# Altium PCB Moki V3.PcbDoc (continued)
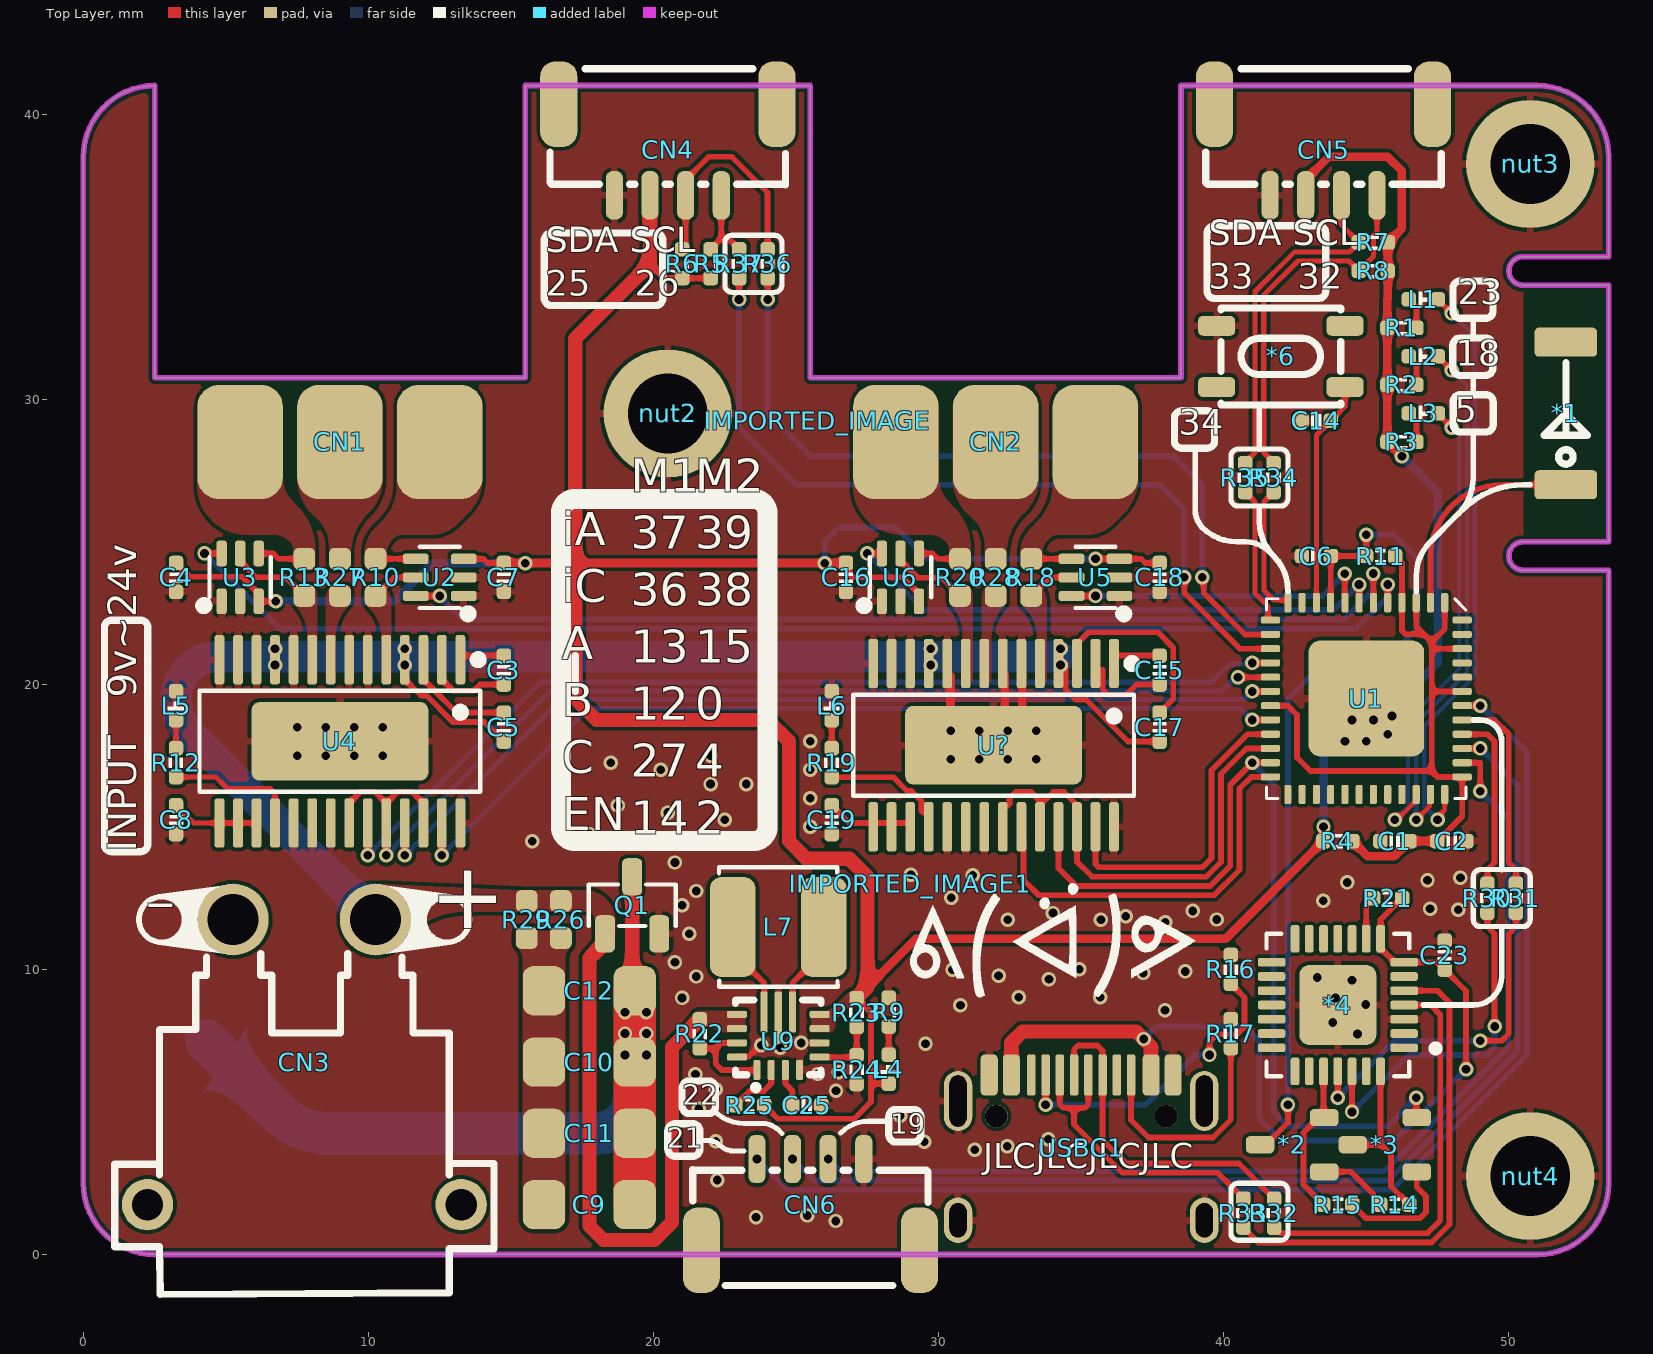
[diagram p0: Top Layer view]
## Nets (pads, with @x,y where several pads share a name; then routed paths per layer and width w, separated by ;. In a path a pad name is that pad's centre, name@x,y a point inside that pad or via, vN(x,y) a via of type N, cw(c..) or ccw(c..) an arc to the next point about the centre after c; other vN are vias at no path point)
BootMode: *3.2 U1.23 U?.25 | length 31.5
  Top Layer w0.2: U?.25 34.202,13.548 34.823,12.927 39.177,12.927 39.528,12.927 40.227,13.627 40.227,16.477 v1(41,17.25) U1.23 ; v1(46.75,5.5) 46.75,4.821 *3.2
  Bottom Layer w0.2: v1(41,17.25) 41.75,16.5 41.75,5 42.25,4.5 45.75,4.5 v1(46.75,5.5)
CC1: R16.1 USBC1.A5 | length 11.1
  Top Layer w0.2: v1(33.75,5.25) USBC1.A5 ; v1(39.5,7) 39.5,7.452 39.771,7.723 40.47,7.723 40.731,7.984 40.731,9.011 R16.1
  Bottom Layer w0.2: v1(33.75,5.25) 37.25,5.25 39,7 v1(39.5,7)
CC2: R17.1 USBC1.B5 | length 8.1
  Top Layer w0.2: USBC1.B5 36.75,4.716 37.36,4.106 39.622,4.106 40.25,4.734 R17.1@40.25,7.227
DN: R33.1 USBC1.A7 USBC1.B7 | length 10.8
  Top Layer w0.2: USBC1.B7 34.251,5.262 34.368,5.145 34.75,5.145 ; USBC1.A7 35.249,5.262 35.132,5.145 34.75,5.145 ; R33.1 39.789,2.863 36.445,2.863 34.75,4.558 34.75,5.145
DP: R32.1 USBC1.A6 USBC1.B6 | length 12
  Top Layer w0.2: USBC1.A6 34.751,7.189 34.892,7.33 35.563,7.33 35.745,7.148 USBC1.B6@35.745,6.302 ; USBC1.B6 35.749,4.021 36.58,3.19 40.532,3.19 R32.1
EspEN: *2.3 C6.1 R11.1 U1.9 | length 30
  Top Layer w0.2: *2.3 41.475,3.85 42.25,4.625 v1(42.25,5.25) ; U1.9 43.75,24.492 C6.1 R11.1 44.996,24.504 44.996,25.246 v1(45,25.25)
  Bottom Layer w0.2: v1(42.25,5.25) 42.25,19.5 43.412,20.662 45.507,20.662 46.797,21.953 46.797,24.4 45.947,25.25 v1(45,25.25)
GND: *1.2 *4.3 *4.29 *6.4 C1.2 C2.2 C4.1 C6.2 C7.1 C8.1 C14.1 C16.1 C18.1 C19.1 C23.1 C25.1 CN4.1 CN5.1 CN6.1 L5.2 L6.2 nut2.0 nut3.0 nut4.0 Q1.2 R9.2 R16.2 R17.2 R24.1 U1.49 U2.1 U2.2 U3.1 U3.2 U4.6 U4.7 U4.10 U4.12 U4.13 U4.14 U4.19 U4.20 U4.21 U4.28 U4.29 U5.1 U5.2 U6.1 U6.2 U9.4 U9.6 U9.10 U9.15 U?.6 U?.7 U?.10 U?.12 U?.13 U?.14 U?.19 U?.20 U?.21 U?.28 U?.29 USBC1.13 USBC1.14 USBC1.15 USBC1.16 USBC1.A1B12 USBC1.B1A12 | length 9.3
  Top Layer w0.2: U9.15 22.95,6.947 23.341,6.947 23.73,7.336 v1(23.774,7.336)
  Top Layer w0.3: U?.10 30.301,20.351 30.322,20.329 30.374,20.329 30.414,20.289 30.414,19.081 31.13,18.366 v2(31.426,18.366) ; v2(32.427,18.366) 32.396,18.396 32.325,18.467 32.325,20.329 32.273,20.329 U?.7@32.251,20.351 ; U?.29@32.5,18.5 32.933,18.933 32.933,20.329 32.923,20.329 32.902,20.351 U?.6 ; U?.7@32.251,20.351 U?.7 U?.7@32.251,20.351
  other v1: 26.389,1.176 23.592,1.308 25.388,1.369 22.229,2.611 31.262,3.669 32.403,3.797 29.494,3.954 22.181,3.973 33.843,4.04 28.653,4.867 21.59,5.107 26.398,5.749 22.181,5.794 21.469,6.325 25.758,6.332 26.487,6.388 24.446,7.255 29.537,7.391 25.179,7.421 44.689,7.736 43.819,8.139 37.938,8.572 30.764,8.74 44.979,8.77 21,9 32.809,9.018 35.671,9.018 43.92,8.997 44.5,9.614 33.868,9.65 43.277,9.715 21.5,9.75 32.102,9.78 37.176,9.873 38.644,9.929 30.485,9.985 34.927,10.003 20.75,10.25 21.25,11.25 37.951,11.652 32.423,11.739 35.692,11.739 39.75,11.75 36.566,11.864 34.008,11.976 38.912,12.051 48.225,12.087 47.236,12.125 21,12.25 43.487,12.404 30.438,12.513 21.5,12.75 44.335,13.05 47.148,13.126 48.301,13.215 31.2,13.299 29.028,13.324 20.75,13.75 15.75,14.5 19.75,14.5 21.5,14.5 17.75,14.75 25.5,15 22.5,15.25 20.5,15.5 18.75,15.75 25.5,16 16.75,16.25 22,16.5 23.25,16.5 20.25,17 25.5,17 18.5,17.25 22,17.5 25.5,18 44.25,18 45,18 45.75,18.25 44.5,18.75 45.25,18.75 45.902,18.888
  other v2: 30.425,17.365 31.426,17.365 32.427,17.365 33.425,17.365 7.499,17.5 8.5,17.5 9.5,17.5 10.499,17.5 30.425,18.366 33.425,18.366 7.499,18.5 8.5,18.5 9.5,18.5 10.499,18.5
GPIO: CN6.2 U1.38 | length 36.9
  Top Layer w0.2: U1.38 49,17.25 v1(49,16.25)
  Bottom Layer w0.2: v1(26.125,3.35) 26.554,2.92 45.633,2.92 49.98,7.267 49.98,15.271 v1(49,16.25)
KEY: *6.1 C14.2 U1.10 | length 8
  Top Layer w0.178: U1.10 43.25,28.742 44.258,29.75 44.258,30.417 *6.1
LED1: L1.2 U1.36 | length 20.7
  Top Layer w0.152: v1(47.5,15.25) 47.5,15.345 47.75,15.595 U1.36 ; L1.2 v1(48,33.008)
  Bottom Layer w0.152: v1(47.5,15.25) 47.036,15.714 47.036,18.536 48.809,20.309 48.809,32.199 v1(48,33.008)
LED2: L2.2 U1.35 | length 18.5
  Top Layer w0.152: v1(46.75,15.25) 47.222,15.722 47.222,16.109 U1.35 ; L2.2 v1(48,31.008)
  Bottom Layer w0.152: v1(46.75,15.25) 46.75,18.645 48.529,20.425 48.529,30.479 v1(48,31.008)
LED3: L3.2 U1.34 | length 16.7
  Top Layer w0.152: v1(46,15.25) 46.076,15.25 46.578,15.752 ; 46.578,15.753 46.75,15.925 U1.34 ; L3.2 47.508,29.496 48,29.004 v1(48,29)
  Bottom Layer w0.152: v1(46,15.25) 46.464,15.714 46.464,18.755 48.25,20.54 48.25,28.734 48,28.984 v1(48,29)
M1-EN: U1.17 U4.22 U4.24 U4.26 | length 40.1
  Top Layer w0.2: U4.22 9.325,15.83 9.724,16.228 10.227,16.228 U4.24@10.626,15.83 ; v1(10.626,14) U4.24 U4.24@10.626,15.83 ; U4.26 11.926,15.83 11.528,16.228 11.024,16.228 U4.24@10.626,15.83 ; v1(40.5,20.25) U1.17
  Bottom Layer w0.178: v1(10.626,14) 10.626,14.012 16.38,19.767 39.938,19.767 40.412,20.241 v1@40.491,20.241
M1-I2C-SCL: CN4.4 R5.2 R37.1 | length 2.8
  Top Layer w0.2: R5.2 22.375,35.633 ; CN4.4 22.375,35.633 ; R37.1 22.625,35.633 22.375,35.633
M1-I2C-SDA: CN4.3 R6.2 R36.1 | length 8.2
  Top Layer w0.2: R6.2 21.125,35.383 CN4.3 21.125,37.7 21.925,38.5 22.75,38.5 24,37.25 R36.1
M1-iSens-1: U1.6 U2.6 | length 35.9
  Top Layer w0.2: U2.6 v1(12.5,23.1) ; v1(45.247,23.883) 45.249,23.882 45.249,22.864 U1.6
  Bottom Layer w0.2: v1(12.5,23.1) 13.32,22.28 44.213,22.28 45.226,23.293 45.226,23.862 v1(45.247,23.883)
M1-iSens-2: U1.5 U3.6 | length 44.7
  Top Layer w0.2: v1(4.25,24.59) U3.6 ; U1.5 v1(45.75,23.5)
  Bottom Layer w0.2: v1(4.25,24.59) 6.887,21.953 44.641,21.953 45.75,23.061 v1(45.75,23.5)
M1-port-1: CN1.1 R10.1 U2.4 | length 1.4
  Top Layer w0.2: R10.1 U2.4
M1-port-2: CN1.2 R27.1
M1-port-3: CN1.3 R13.1 U3.4 | length 1.7
  Top Layer w0.2: U3.4 6.66,24.59 6.85,24.4 R13.1
M1-PWM-1: U1.20 U4.27 | length 32.5
  Top Layer w0.2: v1(12.574,14) U4.27 ; v1(41,18.75) U1.20
  Bottom Layer w0.178: v1(12.574,14) 17.731,19.157 40.593,19.157 v1(41,18.75)
M1-PWM-2: U1.18 U4.25 | length 33.9
  Top Layer w0.2: v1(11.276,14) U4.25 ; v1(41,19.75) U1.18
  Bottom Layer w0.178: v1(11.276,14) 16.738,19.462 40.712,19.462 v1(41,19.75)
M1-PWM-3: U1.16 U4.23 | length 35.6
  Top Layer w0.2: v1(9.975,14) U4.23 ; v1(41,20.75) U1.16
  Bottom Layer w0.178: v1(9.975,14) 9.975,14.012 10.432,14.468 10.444,14.468 16.047,20.071 39.571,20.071 40.218,20.718 40.968,20.718 v1(41,20.75)
M2-EN: U1.22 U?.22 U?.24 U?.26 | length 17.6
  Top Layer w0.2: U?.22 32.251,15.577 32.323,15.648 32.325,15.648 32.488,15.811 32.488,15.992 32.724,16.228 33.227,16.228 U?.24@33.626,15.83 ; U?.24 33.623,15.071 33.623,15.827 U?.24@33.626,15.83 ; U1.22 40.798,17.75 39.9,16.852 39.9,13.762 39.392,13.254 35.374,13.254 34.852,13.776 U?.26 34.857,15.004 34.857,15.766 34.396,16.227 34.023,16.227 U?.24@33.626,15.83
M2-I2C-SCL: CN5.4 R8.2 R34.1 | length 12.9
  Top Layer w0.178: R34.1 41.75,27.779 41.402,28.126 41.402,33.652 42.601,34.851 44.391,34.851 R8.2 45.251,35.009 45.251,35.732 45.375,35.856 CN5.4
M2-I2C-SDA: CN5.3 R7.2 R35.1 | length 12.4
  Top Layer w0.178: R35.1 40.75,27.779 41.098,28.126 41.098,33.779 42.475,35.156 44.398,35.156 R7.2 44.125,36.117 CN5.3
M2-iSens-1: U1.8 U5.6 | length 10.9
  Top Layer w0.2: U5.6 v1(35.5,23.1) ; v1(44.242,23.878) 44.246,23.874 44.246,22.866 U1.8
  Bottom Layer w0.2: v1(35.5,23.1) 43.464,23.1 v1(44.242,23.878)
M2-iSens-2: U1.7 U6.6 | length 19.6
  Top Layer w0.2: v1(27.5,24.59) U6.6 ; v1(44.747,23.497) 44.748,23.496 44.748,22.864 U1.7
  Bottom Layer w0.2: v1(27.5,24.59) 29.483,22.607 43.856,22.607 v1(44.747,23.497)
M2-port-1: CN2.1 R18.1 U5.4 | length 1.4
  Top Layer w0.2: R18.1 U5.4
M2-port-2: CN2.2 R28.1
M2-port-3: CN2.3 R20.1 U6.4 | length 1.5
  Top Layer w0.2: U6.4 29.786,24.59 29.976,24.4 R20.1
M2-PWM-1: U1.21 U?.27 | length 11.2
  Top Layer w0.2: U?.27 35.5,13.698 35.617,13.581 39.257,13.581 39.573,13.898 39.573,16.987 40.836,18.25 U1.21
M2-PWM-3: U1.24 U?.23 | length 14.2
  Top Layer w0.2: U?.23 32.902,14.621 32.973,14.549 32.975,14.549 32.975,13.136 33.511,12.6 39.663,12.6 40.554,13.491 40.554,16.342 40.962,16.75 U1.24
Net*1_1: *1.1 U1.2 | length 7.8
  Top Layer w0.2: U1.2 47.25,24.46 cw(c49.79,24.46) 49.79,27 *1.1
Net*2_1: *2.1 R14.2 | length 2.5
  Top Layer w0.2: *2.1 44.467,2.9 45.239,2.128 45.239,2.018 45.492,1.765 R14.2
Net*3_1: *3.1 R15.2 | length 4.4
  Top Layer w0.2: R15.2 44.989,1.269 45.218,1.269 46.881,1.269 47.093,1.48 47.093,2.045 46.771,2.367 *3.1
Net*4_4: *4.4 R32.2 | length 14.7
  Top Layer w0.2: R32.2 41.778,0.942 41.971,0.75 47.151,0.75 47.591,1.191 47.591,8.409 47.25,8.75 *4.4
Net*4_5: *4.5 R33.2 | length 17.3
  Top Layer w0.2: R33.2 41.213,0.423 47.286,0.423 47.918,1.055 47.918,8.832 47.5,9.25 *4.5
Net*4_9: *4.9 R21.2 | length 1.5
  Top Layer w0.2: *4.9 45,12.243 45.242,12.485 R21.2
Net*4_25: *4.25 R31.1 | length 12.2
  Top Layer w0.2: v1(44,5.5) *4.25 ; v1(49,7.5) 49.75,7.5 50,7.75 50,11.25 50.25,11.5 R31.1
  Bottom Layer w0.2: v1(44,5.5) 46,7.5 v1(49,7.5)
Net*4_26: *4.26 R30.2 | length 12.2
  Top Layer w0.2: v1(44.5,5) *4.26 ; R30.2 49.25,11.5 49.5,11.25 v1(49.5,8)
  Bottom Layer w0.2: v1(44.5,5) 46.5,7 49.25,7 49.5,7.25 v1(49.5,8)
NetC3_1: C3.1 U4.2 | length 3.1
  Top Layer w0.2: U4.2 12.574,20.17 12.972,19.772 13.693,19.772 13.913,19.992 C3.1
NetC3_2: C3.2 U4.1 | length 1.6
  Top Layer w0.2: U4.1 13.224,20.937 13.295,21.008 C3.2
NetC5_1: C5.1 U4.3 | length 4
  Top Layer w0.2: U4.3 11.926,20.17 12.167,19.929 12.168,19.929 13.09,19.008 C5.1
NetC8_2: C8.2 U4.15 U4.16 U4.17 | length 3.1
  Top Layer w0.178: C8.2 3.873,15.135 U4.15 U4.17
NetC9_1: C9.1 C10.1 C11.1 C12.1 CN3.1 Q1.3 U8.2 | length 31.4
  Top Layer w0.5: Q1.3 19.25,9.474 ccw(c19.566,9.474) C12.1
  Top Layer w1.5: C9.1 C11.1 C10.1 C12.1
  Bottom Layer w1.5: U8.2 6.821,4.994 ccw(c8.617,6.79) 8.617,4.25 18,4.25 ccw(c18,5.593) 19.343,5.593 19.343,8.45
  other v1: 19,7 19.75,7 19,7.75 19.75,7.75 19,8.5 19.75,8.5
NetC9_2: C9.2 C10.2 C11.2 C12.2 R26.1 R29.1
NetC15_1: C15.1 U?.2 | length 3.3
  Top Layer w0.2: U?.2 35.5,20.582 35.571,20.51 35.752,20.51 35.752,19.82 35.935,19.637 36.589,19.637 36.944,19.992 C15.1
NetC15_2: C15.2 U?.1 | length 1.8
  Top Layer w0.2: U?.1 36.15,20.872 36.287,21.008 C15.2
NetC17_1: C17.1 U?.3 | length 6.9
  Top Layer w0.2: U?.3 34.852,21.425 35.251,21.823 37.689,21.823 38.231,21.282 38.231,19.489 C17.1
NetC19_2: C19.2 U?.15 U?.16 U?.17 | length 3.5
  Top Layer w0.2: C19.2 26.873,15.135 27.631,15.135 27.702,15.063 U?.15 27.702,15.057 27.78,15.135 28.278,15.135 28.278,15.071 U?.16 28.35,15.057 28.428,15.135 28.929,15.135 28.929,15.071 U?.17
NetC25_2: C25.2 U9.3 | length 1.3
  Top Layer w0.2: U9.3 24.625,5.988 24.867,5.746 C25.2
NetL1_1: L1.1 R1.2 | length 1.3
  Top Layer w0.2: L1.1 46.492,33.485 46.758,33.219 R1.2 R1.2@46.621,32.637
NetL2_1: L2.1 R2.2 | length 1.3
  Top Layer w0.2: L2.1 46.492,31.485 46.758,31.219 R2.2 R2.2@46.621,30.637
NetL3_1: L3.1 R3.2 | length 1.3
  Top Layer w0.2: L3.1 46.492,29.485 46.758,29.219 R3.2 R3.2@46.621,28.637
NetL4_2: L4.2 R9.1 | length 1
  Top Layer w0.2: L4.2 R9.1
NetL5_1: L5.1 R12.2 | length 1
  Top Layer w0.178: R12.2 L5.1
NetL6_1: L6.1 R19.2 | length 1
  Top Layer w0.2: R19.2 L6.1
NetL7_1: L7.1 U9.11 | length 3.4
  Top Layer w0.2: L7.1 22.775,10.629 23.875,9.529 U9.11
NetL7_2: L7.2 U9.9 | length 3.4
  Top Layer w0.2: U9.9 24.875,9.529 25.975,10.629 L7.2
NetR10_2: R10.2 U2.5 U4.5 | length 1.7
  Top Layer w0.2: R10.2 10.9,23.75 U2.5
NetR12_1: R12.1 U4.18 | length 4.7
  Top Layer w0.178: R12.1 4.658,16.742 4.951,16.449 5.05,16.35 6.55,16.35 6.724,16.176 U4.18
NetR13_2: R13.2 U3.5 U4.9 | length 3
  Top Layer w0.2: U3.5 5.5,24.32 6.07,23.75 7.1,23.75 R13.2
NetR18_2: R18.2 U5.5 U?.5 | length 1.7
  Top Layer w0.2: R18.2 33.9,23.75 U5.5
NetR19_1: R19.1 U?.18 | length 4.6
  Top Layer w0.2: R19.1 28.414,16.742 28.893,16.263 29.046,16.263 29.399,15.91 29.399,15.554 29.463,15.49 29.579,15.49 29.65,15.418 U?.18
NetR20_2: R20.2 U6.5 U?.9 | length 2.9
  Top Layer w0.2: U6.5 28.66,24.32 28.74,24.24 28.76,24.24 29.264,23.736 30.114,23.736 R20.2
NetR22_1: R22.1 U9.1 U9.14 | length 3.5
  Top Layer w0.2: R22.1 22.179,7.23 ; U9.14 22.371,7.422 22.179,7.23 ; U9.1 22.391,6.471 22.179,6.684 22.179,7.23
NetR23_1: R23.1 R24.2 U9.5 | length 2.3
  Top Layer w0.2: U9.5 27.051,6.922 R24.2 R23.1
NetR25_2: R25.2 U9.2 | length 2.1
  Top Layer w0.2: R25.2 23.367,5.738 23.875,5.738 24.125,5.988 U9.2
NetR27_2: R27.2 U4.8
NetR28_2: R28.2 U?.8
NetR34_2: R34.2 U1.12 | length 4.6
  Top Layer w0.178: R34.2 41.406,26.398 41.406,23.309 41.764,22.951 42.161,22.951 U1.12
NetR35_2: R35.2 U1.13 | length 4.9
  Top Layer w0.178: R35.2 41.101,26.391 41.101,23.183 41.549,22.736 41.549,22.339 U1.13
NetR36_2: R36.2 U1.14 | length 27.8
  Top Layer w0.2: v1(24,33.5) R36.2 ; v1(39.25,23.75) 39.3,23.7 39.3,23.197 40.747,21.75 U1.14
  Bottom Layer w0.2: v1(24,33.5) 24,29.5 25.5,28 38.25,28 39.25,27 v1(39.25,23.75)
NetR37_2: R37.2 U1.15 | length 28.8
  Top Layer w0.2: v1(23,33.5) R37.2 ; v1(38.618,23.75) 38.619,23.197 40.566,21.25 U1.15
  Bottom Layer w0.2: v1(23,33.5) 23,29 25,27 37.75,27 38.618,26.132 v1(38.618,23.75)
Serial0-DTR: *3.3 *4.28 R14.1 | length 6.1
  Top Layer w0.2: *3.3 45.525,3.85 ; *4.28 45.5,3.875 45.525,3.85 ; R14.1 45.867,2.391 45.867,3.508 45.525,3.85
Serial0-RTS: *2.2 *4.24 R15.1 | length 5.4
  Top Layer w0.2: R15.1 42.794,2.448 42.794,4.273 43.325,4.804 43.5,4.804 *4.24
Serial0-RX-P: R31.2 U1.41 | length 7.2
  Top Layer w0.2: U1.41 49.5,18.75 50,18.25 50,13.75 50.25,13.5 R31.2
Serial0-TX-N: R30.1 U1.40 | length 6.3
  Top Layer w0.2: U1.40 49.25,18.25 49.5,18 49.5,13.75 49.25,13.5 R30.1
Serial1_RX: CN6.4 U1.42 | length 43
  Top Layer w0.2: U1.42 v1(49,19.25)
  Bottom Layer w0.2: v1(23.625,3.35) 24.709,2.266 45.904,2.266 50.634,6.996 50.634,17.617 v1(49,19.25)
Serial1_TX: CN6.3 U1.39 | length 39.4
  Top Layer w0.2: U1.39 v1(49,17.75)
  Bottom Layer w0.2: v1(24.875,3.35) 25.632,2.593 45.768,2.593 50.307,7.132 50.307,16.444 v1(49,17.75)
VCC-3V3: C4.2 C7.2 C16.2 C18.2 CN4.2 CN5.2 L4.1 R1.1 R2.1 R3.1 R4.2 R5.1 R6.1 R7.1 R8.1 R23.2 R25.1 U2.3 U3.3 U5.3 U6.3 U9.7 U9.8 | length 142.7
  Top Layer w0.2: C4.2 3.731,23.777 5.553,23.777 6.15,23.18 U3.3 v1(6.75,22.91) ; U2.3 14.033,24.4 14.175,24.258 C7.2 ; 19.875,34.75 20.383,34.242 R6.1 R5.1 ; R25.1 24.364,4.757 27.027,4.757 27.625,5.355 27.625,5.996 ; C16.2 26.86,24.148 26.86,23.854 26.954,23.759 28.731,23.759 29.31,23.18 U6.3 ; R23.2 27.625,8.496 27.625,5.996 ; L4.1 27.625,5.996 ; v1(35.5,24.4) U5.3 37.1,24.4 37.25,24.25 37.258,24.258 C18.2
  Top Layer w0.3: C7.2 14.758,24.25 v1(15.5,24.25) 15.504,24.254 17.25,24.254 26.746,24.254 C16.2 ; 27.5,9.371 29.205,11.076 40.068,11.076 R4.2 43.496,14.504 43.496,14.996 v1(43.5,15) ; CN5.2 42.875,37.7 43.675,38.5 45.75,38.5 46.25,38 46.25,35.992 R7.1 R8.1 45.758,33.538 45.742,33.522 R1.1 R2.1 R3.1 46.242,28 v1(46.25,28)
  Top Layer w0.5: CN4.2 19.875,34.75 17.25,32.125 17.25,24.254 17.25,19.5 18,18.75 24,18.75 24.75,18 24.75,14.5 25.367,13.883 26.867,13.883 27.5,13.25 27.5,9.371 R23.2
  Bottom Layer w0.2: v1(26,24.25) 26,25 26.5,25.5 28.5,25.5 29.6,24.4 v1(35.5,24.4)
  Bottom Layer w0.3: v1(6.75,22.91) 10.91,22.91 12.25,24.25 v1(15.5,24.25) ; v1(43.5,15) 43.5,19 44,19.5 46.25,19.5 47.5,20.75 47.5,26.75 v1(46.25,28)
VCC-3V3A: C1.1 C2.1 R4.1 R11.2 U1.1 U1.3 U1.4 U1.19 U1.37 U1.43 U1.46 | length 28.1
  Top Layer w0.2: U1.19 42.25,19.25 42.572,18.928 42.572,17.428 43.044,16.956 47.294,16.956 ; R11.2 46.008,24.485 46.25,24.243 U1.4 46.25,21.876 46.367,21.759 47.022,21.759 ; U1.3 46.75,22.031 47.022,21.759 ; C2.1 48.363,15.371 U1.37 47.5,16.75 47.294,16.956 ; U1.1 47.75,21.943 47.294,21.487 ; U1.43 47.294,19.75 ; U1.46 47.294,21.25 ; 47.022,21.759 47.294,21.487 ; 47.294,16.956 47.294,19.75 ; 47.294,19.75 47.294,21.25 ; 47.294,21.25 47.294,21.487
  Top Layer w0.3: R4.1 45.039,13.969 45.977,13.969 C1.1 C2.1
VCC-main: C5.2 C17.2 CN3.2 Q1.1 R22.2 R26.2 R29.2 U4.4 U4.11 U8.1 U9.12 U9.13 U?.4 U?.11 | length 74.1
  Top Layer w0.2: U4.4 11.276,20.17 11.844,19.602 12.033,19.602 12.954,18.681 14.061,18.681 C5.2 ; v1(34.276,20.674) 34.229,20.72 34.212,20.72 34.454,20.72 34.454,19.82 34.807,19.468 35.168,19.468 36.643,17.992 C17.2
  Top Layer w0.5: Q1.1 18.2,11.15 18.2,10.85 17.75,10.4 17.75,1 18.241,0.509 20.024,0.509 20.648,1.133 20.648,7.269 R22.2
  Bottom Layer w1.1: CN3.2 3.78,18.22 cw(c5.061,19.5) 3.25,19.5 cw(c4.72,19.5) 4.72,20.97 34.25,20.97
  other v1: 6.724,20.674 11.276,20.674 29.724,20.674 6.724,21.242 11.276,21.242 29.724,21.242 34.276,21.242
VCC-USB: *4.7 *4.8 C23.2 R21.1 USBC1.A4B9 USBC1.B4A9 | length 31.6
  Top Layer w0.2: R21.1 45.5,11.742 *4.8 45.5,10.744 45.994,10.25 *4.7 47.477,10.25 C23.2@47.735,9.992 ; C23.2 48.5,9.242 v1(48.5,6.5)
  Top Layer w0.5: USBC1.A4B9 32.549,7.429 32.942,7.821 36.929,7.821 v1(37.19,7.56) 37.451,7.299 USBC1.B4A9
  Bottom Layer w0.2: v1(37.19,7.56) 37.63,8 40.75,8 41.25,7.5 41.25,4.75 42,4 46,4 v1(48.5,6.5)
pads on no net: *4.1 *4.2 *4.6 *4.10 *4.11 *4.12 *4.13 *4.14 *4.15 *4.16 *4.17 *4.18 *4.19 *4.20 *4.21 *4.22 *4.23 *4.27 *6.2 *6.3 CN3.3 CN3.4 CN4.5 CN4.6 CN5.5 CN5.6 CN6.5 CN6.6 U1.11 U1.25 U1.26 U1.27 U1.28 U1.29 U1.30 U1.31 U1.32 U1.33 U1.44 U1.45 U1.47 U1.48 USBC1.27 USBC1.A8 USBC1.B8

## Polygon pours and split planes (outlines as drawn)
GND on Top Layer "GND_L01_P116" (solid, remove dead copper, pour order 116): 2.5,0 51,0 ccw(c51,2.5) 53.5,2.5 53.5,24 50.5,24 cw(c50.5,24.5) 50.5,25 50.5,34 cw(c50.5,34.5) 50.5,35 53.5,35 53.5,38.5 ccw(c51,38.5) 51,41 38.5,41 38.5,30.75 25.5,30.75 25.5,41 15.5,41 15.5,30.75 2.5,30.75 2.5,41 ccw(c2.5,38.5) 0,38.5 0,2.5 ccw(c2.5,2.5)
VCC-main on Top Layer "VCC-MAIN_L01_P108" (solid, pour order 108): 17.656,12.019 cw(c17.656,11.725) 17.95,11.725 17.95,11.25 18.65,11.25 18.65,11.725 ccw(c17.594,11.725) 17.594,12.781 15.36,12.781 10.25,13 10.25,10.5 ccw(c10.25,11.75) 11.134,10.866 11.543,11.275 cw(c13.339,9.479) 13.339,12.019
NetC9_2 on Top Layer "NETC9_2_L01_P115" (solid, pour order 115): 15.225,10.775 cw(c14.766,10.316) 15.415,10.316 15.415,1.257 ccw(c15.786,1.257) 15.524,0.995 ccw(c15.786,1.257) 15.786,0.886 16.529,0.886 ccw(c16.529,1.257) 16.791,0.995 ccw(c16.529,1.257) 16.9,1.257 16.9,9.743 16.9,10.351 cw(c17.499,10.351) 17.075,10.775 ccw(c16.941,10.909) 17.131,10.909 17.131,11.29 ccw(c16.941,11.29) 17.075,11.425 ccw(c16.941,11.29) 16.941,11.481 16.56,11.481 ccw(c16.56,11.29) 16.425,11.425 cw(c16.244,11.606) 16.244,11.35 16.057,11.35 cw(c16.057,11.606) 15.875,11.425 ccw(c15.741,11.29) 15.741,11.481 15.36,11.481 ccw(c15.36,11.29) 15.225,11.425 ccw(c15.36,11.29) 15.169,11.29 15.169,10.909 ccw(c15.36,10.909)
VCC-3V3 on Top Layer "VCC-3V3_L01_P100" (solid, pour order 100): 27.125,8.742 ccw(c27.125,8.148) 26.705,8.568 26.552,8.415 ccw(c26.979,7.988) 26.375,7.988 cw(c26.184,7.988) 26.184,7.797 25.538,7.797 cw(c25.538,7.859) 25.475,7.859 25.475,7.984 cw(c25.538,7.984) 25.493,8.028 ccw(c25.382,8.14) 25.539,8.14 25.539,8.204 ccw(c25.382,8.204) 25.493,8.315 cw(c25.538,8.359) 25.475,8.359 25.475,8.484 cw(c25.538,8.484) 25.493,8.528 cw(c25.538,8.484) 25.538,8.547 25.914,8.547 ccw(c25.914,9.199) 26.375,8.738 26.809,9.171 cw(c26.998,8.982) 26.998,9.25 27.252,9.25 27.252,8.742
VCC-main on Top Layer "VCC-MAIN_L01_P101" (solid, pour order 101): 21.612,8.547 ccw(c21.612,8.259) 21.408,8.463 21.408,8.029 ccw(c21.498,8.119) 21.498,7.992 21.962,7.992 cw(c21.962,7.663) 22.195,7.895 ccw(c22.433,8.134) 22.433,7.797 23.212,7.797 23.231,7.815 ccw(c23.124,7.922) 23.275,7.922 23.275,7.984 ccw(c23.212,7.984) 23.257,8.028 cw(c23.372,8.143) 23.209,8.143 23.209,8.2 cw(c23.372,8.2) 23.257,8.315 ccw(c23.212,8.359) 23.275,8.359 23.275,8.484 ccw(c23.212,8.484) 23.257,8.528 ccw(c23.212,8.484) 23.212,8.547
NetR20_2 on Top Layer "NETR20_2_L01_P102" (solid, pour order 102): 30.425,22.775 cw(c29.39,21.74) 30.853,21.74 30.853,20.085 31.196,20.085 31.196,23.133 ccw(c30.783,23.133) 31.075,23.425 ccw(c30.94,23.291) 30.94,23.481 30.559,23.481 ccw(c30.559,23.291) 30.425,23.425
NetR18_2 on Top Layer "NETR18_2_L01_P107" (solid, pour order 107): 33.454,20.085 33.454,21.645 ccw(c32.006,21.645) 33.03,22.669 32.925,22.775 cw(c33.06,22.909) 32.869,22.909 32.869,23.29 ccw(c32.734,23.425) 32.925,23.425 33.575,23.425 cw(c33.039,22.889) 33.797,22.889 33.797,20.085
NetR28_2 on Top Layer "NETR28_2_L01_P104" (solid, pour order 104): 31.675,23.425 ccw(c32.088,23.012) 31.504,23.012 31.504,20.085 31.846,20.085 31.846,21.645 cw(c33.417,21.645) 32.307,22.756 32.325,22.775 ccw(c32.191,22.909) 32.381,22.909 32.381,23.29 ccw(c32.191,23.29) 32.325,23.425
M2-port-1 on Top Layer "M2-PORT-1_L01_P112" (solid, pour order 112): 32.869,24.591 cw(c34.144,24.591) 33.243,25.492 33.5,25.75 ccw(c32.293,26.957) 34,26.957 34,29.75 37,29.75 37,27.25 cw(c35.189,27.25) 36.47,25.97 36.104,25.604 cw(c35.25,26.457) 35.25,25.25 34.228,25.25 ccw(c34.228,24.749) 33.874,25.103 33.822,25.051 ccw(c34.283,24.591) 33.631,24.591 33.631,24.21 32.869,24.21
M2-port-2 on Top Layer "M2-PORT-2_L01_P109" (solid, pour order 109): 33.5,27.207 cw(c31.793,27.207) 33,26 32.94,25.94 ccw(c34.289,24.591) 32.381,24.591 32.381,24.21 31.619,24.21 31.619,24.859 ccw(c30.359,24.859) 31.25,25.75 31.03,25.97 cw(c32.31,27.25) 30.5,27.25 30.5,29.75 33.5,29.75
M2-port-3 on Top Layer "M2-PORT-3_L01_P113" (solid, pour order 113): 30.369,24.591 30.369,24.713 ccw(c29.963,24.713) 30.25,25 ccw(c29.646,24.396) 29.646,25.25 28.707,25.25 cw(c28.707,26.957) 27.5,25.75 cw(c28.707,26.957) 27,26.957 27,29.75 30,29.75 30,27.25 ccw(c31.207,27.25) 30.354,26.396 30.5,26.25 cw(c28.977,24.727) 31.131,24.727 31.131,24.21 cw(c30.94,24.21) 31.075,24.075 cw(c30.94,24.21) 30.94,24.019 30.559,24.019 cw(c30.559,24.21) 30.425,24.075
NetR10_2 on Top Layer "NETR10_2_L01_P106" (solid, pour order 106): 10.454,20.085 10.454,21.646 ccw(c9.006,21.646) 10.03,22.67 9.925,22.775 cw(c10.059,22.91) 9.869,22.91 9.869,23.291 ccw(c9.734,23.425) 9.925,23.425 10.575,23.425 cw(c10.039,22.889) 10.797,22.889 10.797,20.085
NetR27_2 on Top Layer "NETR27_2_L01_P105" (solid, pour order 105): 8.675,23.425 ccw(c9.088,23.012) 8.503,23.012 8.503,20.085 8.846,20.085 8.846,21.646 cw(c10.417,21.646) 9.306,22.756 9.325,22.775 ccw(c9.19,22.91) 9.381,22.91 9.381,23.291 ccw(c9.19,23.291) 9.325,23.425
NetR13_2 on Top Layer "NETR13_2_L01_P103" (solid, pour order 103): 7.425,22.775 cw(c6.39,21.74) 7.853,21.74 7.853,20.085 8.196,20.085 8.196,23.133 ccw(c7.783,23.133) 8.075,23.425 ccw(c7.94,23.291) 7.94,23.481 7.559,23.481 ccw(c7.559,23.291) 7.425,23.425
M1-port-1 on Top Layer "M1-PORT-1_L01_P111" (solid, pour order 111): 9.869,24.591 cw(c11.144,24.591) 10.242,25.492 10.5,25.75 ccw(c9.293,26.957) 11,26.957 11,29.75 14,29.75 14,27.25 cw(c12.189,27.25) 13.47,25.97 13.104,25.604 cw(c12.25,26.457) 12.25,25.25 11.228,25.25 ccw(c11.228,24.749) 10.874,25.103 10.822,25.051 ccw(c11.283,24.591) 10.631,24.591 10.631,24.21 9.869,24.21
M1-port-2 on Top Layer "M1-PORT-2_L01_P110" (solid, pour order 110): 10.5,27.207 cw(c8.793,27.207) 10,26 9.94,25.94 ccw(c11.289,24.591) 9.381,24.591 9.381,24.21 8.619,24.21 8.619,24.859 ccw(c7.359,24.859) 8.25,25.75 8.03,25.97 cw(c9.31,27.25) 7.5,27.25 7.5,29.75 10.5,29.75
M1-port-3 on Top Layer "M1-PORT-3_L01_P114" (solid, pour order 114): 7.369,24.591 7.369,24.713 ccw(c6.963,24.713) 7.25,25 ccw(c6.646,24.396) 6.646,25.25 5.707,25.25 cw(c5.707,26.957) 4.5,25.75 cw(c5.707,26.957) 4,26.957 4,29.75 7,29.75 7,27.25 ccw(c8.207,27.25) 7.354,26.396 7.5,26.25 cw(c5.977,24.727) 8.131,24.727 8.131,24.21 cw(c7.94,24.21) 8.075,24.075 cw(c7.94,24.21) 7.94,24.019 7.559,24.019 cw(c7.559,24.21) 7.425,24.075
no net on Top Overlay "NONET_L01_P-001" (solid): 2.626,10.862 5.25,10.5 cw(c5.25,11.75) 4,11.75 cw(c5.25,11.75) 5.25,13 2.626,12.643 3.227,12.392 3.51,12.001 3.543,11.646 3.427,11.324 3.233,11.112 2.862,10.958
no net on Top Overlay "NONET_L01_P-001" (solid): 12.874,12.638 10.25,13 cw(c10.25,11.75) 11.5,11.75 cw(c10.25,11.75) 10.25,10.5 12.874,10.857 12.273,11.108 11.99,11.499 11.957,11.854 12.073,12.176 12.267,12.388 12.638,12.542
NetR18_2 on Top Solder "NETR10_2_L01_P005" (solid, pour order 125): 33.454,20.085 33.454,21.645 ccw(c32.006,21.645) 33.03,22.669 32.925,22.775 cw(c33.06,22.909) 32.869,22.909 32.869,23.29 ccw(c32.734,23.425) 32.925,23.425 33.575,23.425 cw(c33.039,22.889) 33.797,22.889 33.797,20.085
NetR28_2 on Top Solder "NETR27_2_L01_P004" (solid, pour order 122): 31.675,23.425 ccw(c32.088,23.012) 31.504,23.012 31.504,20.085 31.846,20.085 31.846,21.645 cw(c33.417,21.645) 32.307,22.756 32.325,22.775 ccw(c32.191,22.909) 32.381,22.909 32.381,23.29 ccw(c32.191,23.29) 32.325,23.425
NetR20_2 on Top Solder "NETR13_2_L01_P003" (solid, pour order 121): 30.425,22.775 cw(c29.39,21.74) 30.853,21.74 30.853,20.085 31.196,20.085 31.196,23.133 ccw(c30.783,23.133) 31.075,23.425 ccw(c30.941,23.29) 30.941,23.481 30.56,23.481 ccw(c30.56,23.29) 30.425,23.425
M2-port-1 on Top Solder "M1-PORT-1_L01_P008" (solid, pour order 128): 32.869,24.591 cw(c34.144,24.591) 33.243,25.492 33.5,25.75 ccw(c32.293,26.957) 34,26.957 34,29.75 37,29.75 37,27.25 cw(c35.189,27.25) 36.47,25.97 36.104,25.604 cw(c35.25,26.457) 35.25,25.25 34.228,25.25 ccw(c34.228,24.749) 33.874,25.103 33.822,25.051 ccw(c34.283,24.591) 33.631,24.591 33.631,24.21 32.869,24.21
M2-port-2 on Top Solder "M1-PORT-2_L01_P007" (solid, pour order 127): 33.5,27.207 cw(c31.793,27.207) 33,26 32.94,25.94 ccw(c34.289,24.591) 32.381,24.591 32.381,24.21 31.619,24.21 31.619,24.859 ccw(c30.359,24.859) 31.25,25.75 31.03,25.97 cw(c32.31,27.25) 30.5,27.25 30.5,29.75 33.5,29.75
M2-port-3 on Top Solder "M1-PORT-3_L01_P006" (solid, pour order 131): 30.369,24.591 30.369,24.713 ccw(c29.963,24.713) 30.25,25 ccw(c29.646,24.396) 29.646,25.25 28.707,25.25 cw(c28.707,26.957) 27.5,25.75 cw(c28.707,26.957) 27,26.957 27,29.75 30,29.75 30,27.25 ccw(c31.207,27.25) 30.354,26.396 30.5,26.25 cw(c28.977,24.727) 31.131,24.727 31.131,24.21 cw(c30.94,24.21) 31.075,24.075 cw(c30.94,24.21) 30.94,24.019 30.559,24.019 cw(c30.559,24.21) 30.425,24.075
NetR13_2 on Top Solder "NETR13_2_L01_P003" (solid, pour order 120): 7.425,22.775 cw(c6.39,21.74) 7.853,21.74 7.853,20.085 8.196,20.085 8.196,23.133 ccw(c7.783,23.133) 8.075,23.425 ccw(c7.94,23.291) 7.94,23.481 7.559,23.481 ccw(c7.559,23.291) 7.425,23.425
NetR10_2 on Top Solder "NETR10_2_L01_P005" (solid, pour order 124): 10.454,20.085 10.454,21.646 ccw(c9.006,21.646) 10.03,22.67 9.925,22.775 cw(c10.059,22.91) 9.869,22.91 9.869,23.291 ccw(c9.734,23.425) 9.925,23.425 10.575,23.425 cw(c10.039,22.889) 10.797,22.889 10.797,20.085
NetR27_2 on Top Solder "NETR27_2_L01_P004" (solid, pour order 123): 8.675,23.425 ccw(c9.088,23.012) 8.503,23.012 8.503,20.085 8.846,20.085 8.846,21.646 cw(c10.417,21.646) 9.306,22.756 9.325,22.775 ccw(c9.19,22.91) 9.381,22.91 9.381,23.291 ccw(c9.19,23.291) 9.325,23.425
M1-port-1 on Top Solder "M1-PORT-1_L01_P008" (solid, pour order 129): 9.869,24.591 cw(c11.144,24.591) 10.242,25.492 10.5,25.75 ccw(c9.293,26.957) 11,26.957 11,29.75 14,29.75 14,27.25 cw(c12.189,27.25) 13.47,25.97 13.104,25.604 cw(c12.25,26.457) 12.25,25.25 11.228,25.25 ccw(c11.228,24.749) 10.874,25.103 10.822,25.051 ccw(c11.283,24.591) 10.631,24.591 10.631,24.21 9.869,24.21
M1-port-3 on Top Solder "M1-PORT-3_L01_P006" (solid, pour order 130): 7.369,24.591 7.369,24.713 ccw(c6.963,24.713) 7.25,25 ccw(c6.646,24.396) 6.646,25.25 5.707,25.25 cw(c5.707,26.957) 4.5,25.75 cw(c5.707,26.957) 4,26.957 4,29.75 7,29.75 7,27.25 ccw(c8.207,27.25) 7.354,26.396 7.5,26.25 cw(c5.977,24.727) 8.131,24.727 8.131,24.21 cw(c7.94,24.21) 8.075,24.075 cw(c7.94,24.21) 7.94,24.019 7.559,24.019 cw(c7.559,24.21) 7.425,24.075
M1-port-2 on Top Solder "M1-PORT-2_L01_P007" (solid, pour order 126): 10.5,27.207 cw(c8.793,27.207) 10,26 9.94,25.94 ccw(c11.289,24.591) 9.381,24.591 9.381,24.21 8.619,24.21 8.619,24.859 ccw(c7.359,24.859) 8.25,25.75 8.03,25.97 cw(c9.31,27.25) 7.5,27.25 7.5,29.75 10.5,29.75
GND on Bottom Layer "GND_L02_P119" (solid, pour order 119): 2.5,0 51,0 ccw(c51,2.5) 53.5,2.5 53.5,24 50.5,24 cw(c50.5,24.5) 50.5,25 50.5,34 cw(c50.5,34.5) 50.5,35 53.5,35 53.5,38.5 ccw(c51,38.5) 51,41 38.5,41 38.5,30.75 25.5,30.75 25.5,41 15.5,41 15.5,30.75 2.5,30.75 2.5,41 ccw(c2.5,38.5) 0,38.5 0,2.5 ccw(c2.5,2.5)
VCC-main on Bottom Layer "VCC-MAIN_L02_P118" (solid, pour order 118): 9.67,10.133 ccw(c8.633,10.133) 9.366,10.866 cw(c10.25,11.75) 9,11.75 cw(c10.25,11.75) 9.366,12.634 cw(c10.25,11.75) 10.25,13 cw(c10.25,11.75) 11.134,12.634 11.956,11.812 cw(c10.16,10.016) 12.7,10.016 12.7,7.5 9.67,7.5
NetC9_1 on Bottom Layer "NETC9_1_L02_P117" (solid, pour order 117): 5.83,10.133 cw(c6.867,10.133) 6.134,10.866 ccw(c5.25,11.75) 6.5,11.75 ccw(c5.25,11.75) 6.134,12.634 ccw(c5.25,11.75) 5.25,13 ccw(c5.25,11.75) 4.366,12.634 3.544,11.812 ccw(c5.34,10.016) 2.8,10.016 2.8,7.5 5.83,7.5

## Keep-outs
Keep-Out Layer:
  lines w0.2: 0,2.5 ccw(c2.5,2.5) 2.5,0 10,0 51,0 ccw(c51,2.5) 53.5,2.5 53.5,24 50.5,24 cw(c50.5,24.5) 50.5,25 53,25 53.5,25 53.5,34 50.5,34 cw(c50.5,34.5) 50.5,35 53.5,35 53.5,38.5 ccw(c51,38.5) 51,41 38.5,41 38.5,30.75 25.5,30.75 25.5,41 15.5,41 15.5,30.75 2.5,30.75 2.5,41 ccw(c2.5,38.5) 0,38.5 0,2.5

## Silkscreen, mask and mechanical layers (free items; w line width, h text height)
Top Overlay:
  drawing of 160 lines, arcs and shapes, not listed
  text "SDA SCL / 33    32" at 39.468,33.58 h1.52
  text "SDA SCL / 25    26" at 16.218,33.33 h1.52
  text "23" at 48.216,33.029 h1.52
  text "18" at 48.133,30.88 h1.52
  text "5" at 48.104,28.886 h1.52
  text "34" at 38.419,28.458 h1.52
  text "iA / iC / A / B / C / EN" at 16.791,14.5 h2
  text "M1 / 37  / 36 / 13 / 12  / 27 / 14" at 19.194,14.375 h2
  text "M2 / 39 / 38 / 15 / 0 / 4 / 2" at 21.455,14.375 h2
  text "INPUT   9v~24v" at 2.18,14.131 h1.7 r90
  text "-" at 2.143,10.663 h4
  text "+" at 12.143,10.663 h4
  text "22" at 21.023,5.01 h1.2
  text "19" at 28.3,3.99 h1.2
  text "21" at 20.488,3.491 h1.2
  text "JLCJLCJLCJLC" at 31.56,2.732 h1.5
Bottom Overlay:
  lines w0.5: 6.5,16.25 ccw(c7,16.25) 7,15.75 23.5,15.75 ccw(c23.5,16.25) 24,16.25 24,21.75 ccw(c23.5,21.75) 23.5,22.25 7,22.25 ccw(c7,21.75) 6.5,21.75 6.5,16.25
  text "Moki V3" at 23.867,15.872 h7
Top Solder:
  text "G" at 51.997,8.573 h5 r180